# Altium PCB nova34.PcbDoc (part 1 of 4) (continued)
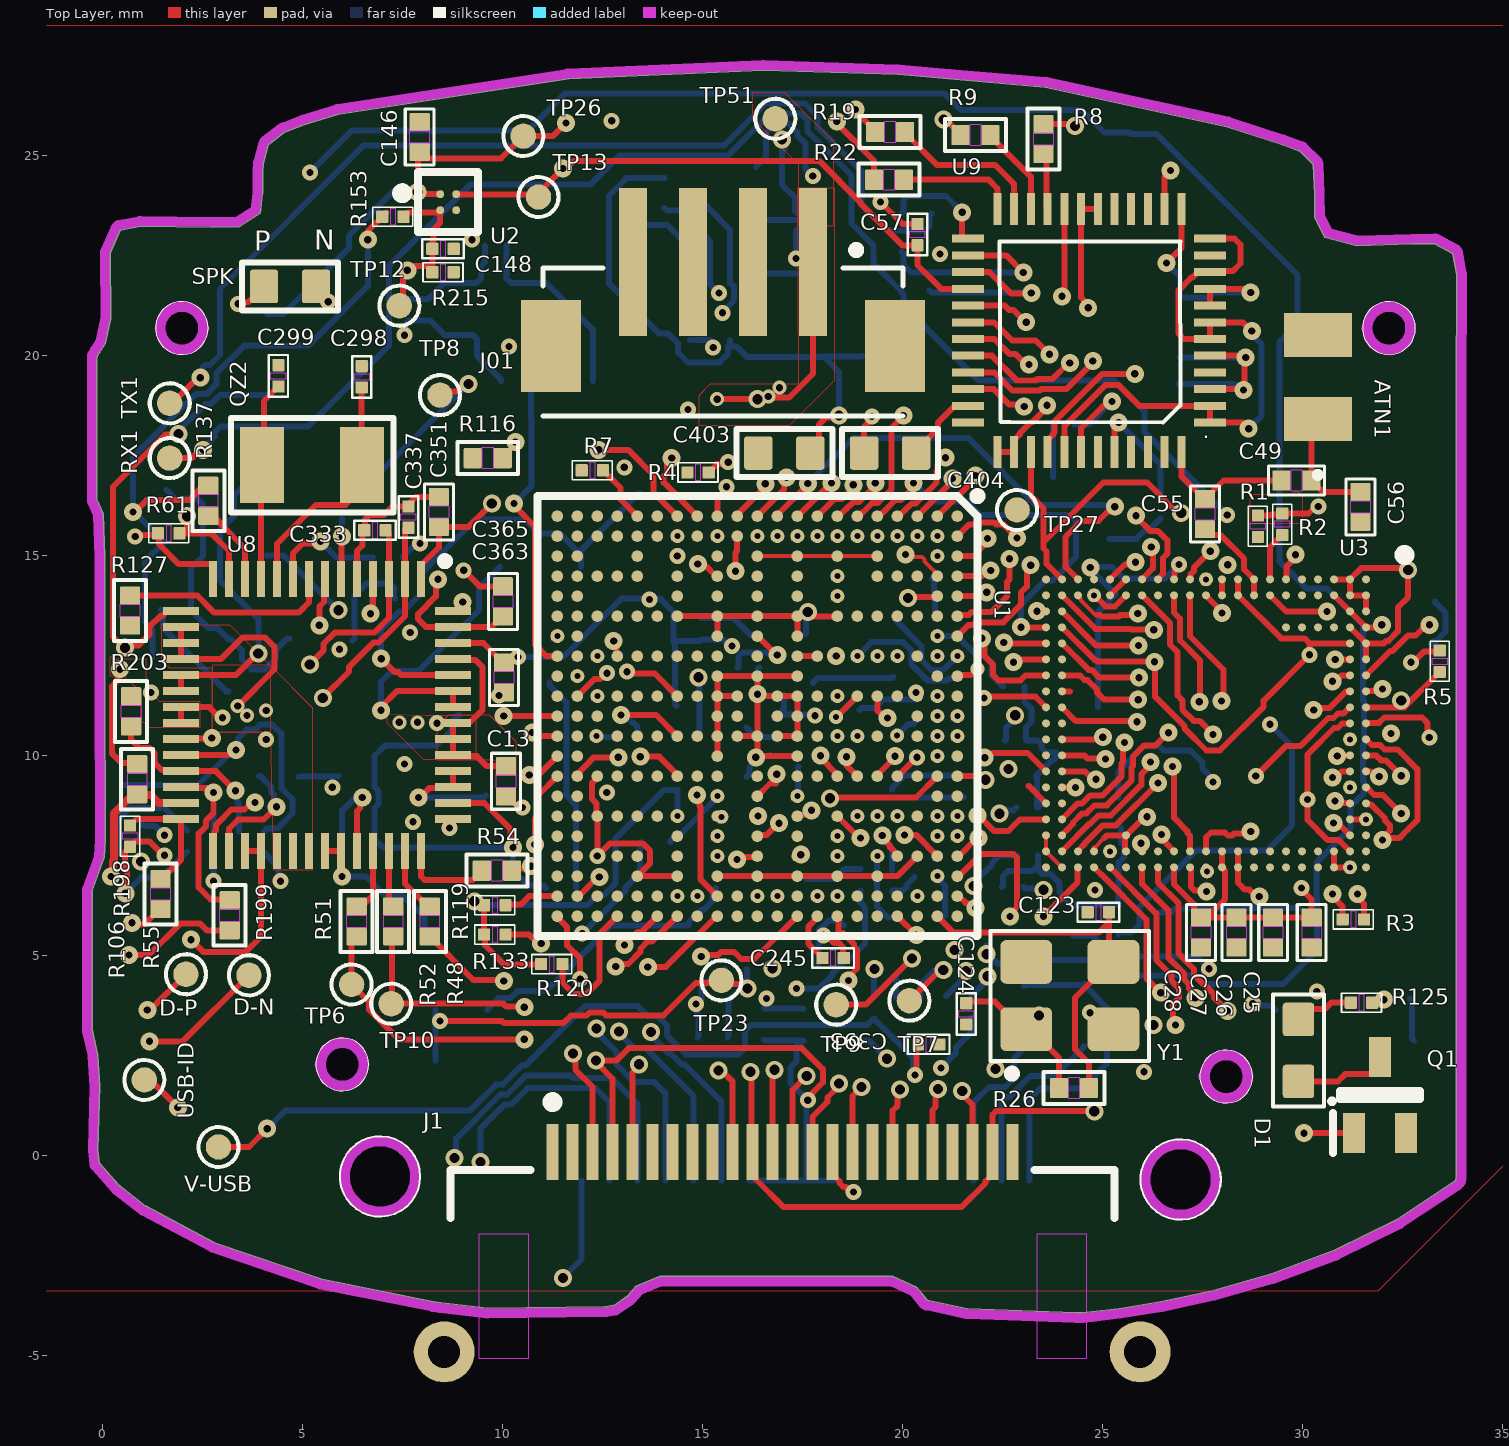
[diagram p0: Top Layer view]
## Components (designator, comment, footprint, x,y, rotation, side; value= is the part's Value field where it differs from the comment) (continued)
R2 "240 OHM" 0201_RES 29.489,15.773 r270 top
R3 "10K" 0201_RES 31.267,5.893 r0 top
R4 "10K" 0201_RES 14.884,17.069 r0 top
R5 "10K" 0201_RES 33.426,12.344 r270 top
R6 "0" 0402_CC_RES#1 13.792,7.061 r0 bottom
R7 "240 OHM" 0201_RES 12.243,17.12 r0 top
R8 "0" 0402_CC_RES#1 23.52,25.4 r90 top
R9 "0" 0402_CC_RES#1 21.819,25.502 r180 top
R10 "4.7K" 0201_RES 22.784,11.709 r180 bottom
R11 "4.7K" 0201_RES 22.751,6.709 r0 bottom
R12 "4.7K" 0201_RES 23.114,7.493 r180 bottom
R13 "4.7K" 0201_RES 23.114,8.687 r180 bottom
R14 "4.7K" 0201_RES 21.436,11.677 r90 bottom
R15 "4.7K" 0201_RES 23.063,9.474 r180 bottom
R16 "4.7K" 0201_RES 22.822,10.363 r180 bottom
R17 "4.7K" 0201_RES 19.593,13.284 r0 bottom
R18 "10K" 0201_RES 18.948,6.883 r90 bottom
R19 "0" 0402_CC_RES#1 19.685,25.578 r180 top
R20 "100K" 0201_RES 19.837,3.683 r90 bottom
R21 "100K" 0201_RES 20.447,3.708 r90 bottom
R22 "0" 0402_CC_RES#1 19.66,24.384 r180 top
R23 "10K" 0201_RES 19.736,6.858 r270 bottom
R24 "1k" 0201_RES 26.441,16.18 r270 bottom
R25 "1k" 0201_RES 24.028,18.263 r180 bottom
R26 "510K" 0402_CC_RES#1 24.282,1.676 r180 top
R27 "50 OHM" 0402_CC_RES#1 19.66,5.563 r270 bottom
R28 "0" 0402_CC_RES#1 20.345,23.546 r0 bottom
R29 "200" 0201_RES 18.618,2.591 r270 bottom
R30 "0" 0402_CC_RES#1 20.345,22.581 r0 bottom
R31 "0" 0402_CC_RES#1 20.345,21.565 r180 bottom
R32 "RC0402FR-0710KL" RESC1005X40X25LL05T10 14.046,24.054 r90 bottom
R33 "RC0402FR-0710KL" RESC1005X40X25LL05T10 15.113,24.105 r90 bottom
R34 "RC0402FR-0710KL" RESC1005X40X25LL05T10 18.263,22.047 r0 bottom
R35 "RC0402FR-0710KL" RESC1005X40X25LL05T10 13.056,24.028 r90 bottom
R47 "10K" 0402_CC_RES#1 24.257,5.867 r90 bottom
R48 "0" 0402_CC_RES#1 8.179,5.842 r90 top
R51 "0" 0402_CC_RES#1 6.35,5.842 r90 top
R52 "0" 0402_CC_RES#1 7.264,5.842 r90 top
R54 "0" 0402_CC_RES#2 9.855,7.112 r180 top
R55 "0" 0402_CC_RES#1 1.448,6.528 r90 top
R61 "100K" 0201_RES 1.651,15.545 r180 top
R77 "10K" 0402_CC_RES#1 29.693,3.632 r0 bottom
R78 "10K" 0402_CC_RES#1 25.4,5.893 r90 bottom
R79 "10K" 0402_CC_RES#1 25.4,8.56 r270 bottom
R100 "0" 0402_CC_RES#1 22.098,5.613 r90 bottom
R102 "100K" 0201_RES 21.717,3.708 r90 bottom
R103 "100K" 0201_RES 20.295,7.214 r270 bottom
R106 "100K" 0201_RES 0.685,7.975 r90 top
R108 "30K" 0201_RES 19.279,3.683 r270 bottom
R111 "0" 0402_CC_RES#1 5.994,16.281 r90 bottom
R113 "0" 0402_CC_RES#1 21.057,5.613 r90 bottom
R114 "0" 0402_CC_RES#1 7.137,14.935 r0 bottom
R116 "0" 0402_CC_RES#1 9.627,17.424 r180 top
R119 "10K" 0201_RES 9.804,6.248 r0 top
R120 "10K" 0201_RES 11.227,4.775 r0 top
R125 "1k" 0201_RES 31.471,3.81 r180 top
R127 "0" 0402_CC_RES#1 0.686,13.614 r90 top
R133 "4.7K" 0201_RES 9.804,5.512 r0 top
R137 "0" 0402_CC_RES#1 2.642,16.358 r270 top
R153 "10K" 0201_RES 7.255,23.457 r0 top
R191 "0" 0402_CC_RES#1 8.915,11.379 r90 bottom
R192 "0" 0402_CC_RES#1 11.455,6.68 r180 bottom
R193 "0" 0402_CC_RES#1 5.613,7.671 r0 bottom
R194 "0" 0402_CC_RES#1 5.613,8.585 r180 bottom
R195 "0" 0402_CC_RES#1 3.912,9.855 r90 bottom
R196 "4.7K" 0201_RES 2.108,7.849 r90 bottom
R197 "4.7K" 0201_RES 2.769,7.823 r90 bottom
R198 "0" 0402_CC_RES#1 0.864,9.398 r270 top
R199 "0" 0402_CC_RES#1 3.175,5.994 r90 top
R200 "4.7K" 0201_RES 4.039,7.823 r90 bottom
R201 "4.7K" 0201_RES 3.404,7.823 r90 bottom
R202 "0" 0402_CC_RES#1 0.508,9.627 r270 bottom
R203 "0" 0402_CC_RES#1 0.711,11.094 r270 top
R215 "12K" 0201_RES 8.509,22.073 r0 top
R216 "0" 0402_CC_RES#1 13.818,7.823 r0 bottom
R217 "100K" 0201_RES 21.082,3.708 r90 bottom
R218 "1k" 0201_RES 9.83,22.733 r0 bottom
R219 "100K" 0201_RES 7.645,21.133 r90 bottom
R220 "0" 0402_CC_RES#1 10.338,19.355 r180 bottom
R224 "0" 0402_CC_RES#1 0.991,7.899 r90 bottom
RX1 "Test Pin1" "Test Pin" 1.676,17.424 r90 top
SPK "22UF" 0603_CC 4.684,21.717 r180 top (schematic designator C403)
TP6 "TP_35MIL" "Test Pin" 6.223,4.267 r90 top
TP7 "TP_35MIL" "Test Pin" 20.168,3.861 r90 top
TP8 "TP_35MIL" "Test Pin" 8.433,18.999 r90 top
TP9 "TP_35MIL" "Test Pin" 18.339,3.759 r90 top
TP10 "TP_35MIL" "Test Pin" 7.214,3.785 r90 top
TP12 "tpad_020" "Test Pin" 7.417,21.234 r90 top
TP13 "tpad_020" "Test Pin" 10.897,23.952 r90 top
TP23 "TP_35MIL" "Test Pin" 15.469,4.369 r90 top
TP25 "TP_35MIL" "Test Pin" 32.69,3.912 r90 bottom
TP26 "TP_35MIL" "Test Pin" 10.516,25.476 r90 top
TP27 "TP_35MIL" "Test Pin" 22.86,16.129 r90 top
TP51 "TP_35MIL" "Test Pin" 16.815,25.908 r90 top
TP68 "TP_35MIL" "Test Pin" 2.692,10.338 r90 bottom
TX1 "Test Pin1" "Test Pin" 1.676,18.796 r90 top
U1 "MIMX8MN5CVPIZAA" BGA306C50P21X21_1100X1100X101 16.367,10.974 r270 top
U2 "ADP191ACBZ-R7" FP-CB-4-3-MFG 8.639,23.822 r0 top
U3 "LPDDR4 32EP16-M4FTC32-GA68" FBGA144C40P19X21_800X950X80 27.584,10.795 r270 top
U4 "BMI160" FP-BMI160-MFG 15.189,21.285 r180 bottom
U8 "PCA9450BHN" QFN40P700X700X100-57N-D 5.359,10.998 r270 top
U9 "RTL8723DS-CG" RTL8723DS-CG 27.679,18.313 r180 top
U12 "NC7SP125P5X" FP-MAA05A-IPC_B 9.816,21.158 r180 bottom
USB-ID "Test Pin1" "Test Pin" 1.041,1.88 r90 top
V-USB "Test Pin1" "Test Pin" 2.896,0.203 r90 top
Y1 "24MHz" OSCCC320X250X60 24.181,3.988 r90 top

## Footprints (in the part's own frame and the unit in brackets; to place one, negate y for a bottom-side part, rotate by r counter-clockwise, add the part's x,y. Pads: shape width x height; smd on the part's side, far side on the other; paste and mask are expansions set on the pad)
"0201_CC - C" [mil] "0201_CC\By AAR"
  rrect15% 12x12 smd mask+1.97: 1(-10.51,0) 2(10.51,0)
  Top Layer keep-out region: -2.64,7.87 -2.64,-7.87 2.64,-7.87 2.64,7.87 -2.64,7.87
  Top Layer keep-out region: -2.64,7.87 -2.64,-7.87 2.64,-7.87 2.64,7.87 -2.64,7.87
  silkscreen extent -20,-9 20,9, body extent -14,-6 14,6, height 12
0201_RES [mil] "0201_CC\By AAR"
  rrect15% 12x12 smd mask+1.97: 1(-10.51,0) 2(10.51,0)
  Top Layer keep-out region: -2.64,7.87 -2.64,-7.87 2.64,-7.87 2.64,7.87 -2.64,7.87
  Top Layer keep-out region: -2.64,7.87 -2.64,-7.87 2.64,-7.87 2.64,7.87 -2.64,7.87
  silkscreen extent -20,-9 20,9, body extent -17,-6 17,6, height 12
"0402_CC - C" [mil] "0402_CC\By AAR"
  rrect15% 18x20 smd mask+1.97: 1(-14.76,0) 2(14.76,0)
  Top Layer keep-out region: -5.75,10 -5.75,-10 5.75,-10 5.75,10 -5.75,10
  Top Layer keep-out region: -5.75,10 -5.75,-10 5.75,-10 5.75,10 -5.75,10
  silkscreen extent -28,-14 28,14, body extent -23,-10 23,10, height 20
0402_CC_RES#1 [mil] "0402_CC_INDUCTOR\By AAR"
  rrect15% 18x20 smd mask+3.15: 1(-14.76,0) 2(14.76,0)
  Top Layer keep-out region: -5.75,10 -5.75,-10 5.75,-10 5.75,10 -5.75,10
  Top Layer keep-out region: -5.75,10 -5.75,-10 5.75,-10 5.75,10 -5.75,10
  silkscreen extent -30,-16 30,16, body extent -20,-10 20,10, height 19
0402_CC_RES#2 [mil] "0402_CC_INDUCTOR\By AAR"
  rrect15% 18x20 smd mask+3.15: 1(-14.76,0)
  rrect15% 18x20 smd mask-0.79: 2(14.76,0)
  Top Layer keep-out region: -5.75,10 -5.75,-10 5.75,-10 5.75,10 -5.75,10
  Top Layer keep-out region: -5.75,10 -5.75,-10 5.75,-10 5.75,10 -5.75,10
  silkscreen extent -30,-16 30,16, body extent -20,-10 20,10, height 19
0603_CC [mil] "CAP_NP_0603_CC_DISCRETE_1MM_150\By AAR"
  rrect20% 28x33 smd mask+3.15: 1(-25.59,0) 2(25.59,0)
  silkscreen extent -47,-24 47,24, body extent -37,-16 37,16, height 32
BGA306C50P21X21_1100X1100X101 [mm]
  round 0.29 smd: A1(-5,5) A2(-4.5,5) A3(-4,5) A4(-3.5,5) A5(-3,5) A6(-2.5,5) A7(-2,5) A8(-1.5,5) A9(-1,5) A10(-0.5,5) A11(0,5) A12(0.5,5) A13(1,5) A14(1.5,5) A15(2,5) A16(2.5,5) A17(3,5) A18(3.5,5) A19(4,5) A20(4.5,5) A21(5,5) AA1(-5,-5) AA2(-4.5,-5) AA3(-4,-5) AA4(-3.5,-5) AA5(-3,-5) AA6(-2.5,-5) AA7(-2,-5) AA8(-1.5,-5) AA9(-1,-5) AA10(-0.5,-5) AA11(0,-5) AA12(0.5,-5) AA13(1,-5) AA14(1.5,-5) AA15(2,-5) AA16(2.5,-5) AA17(3,-5) AA18(3.5,-5) AA19(4,-5) AA20(4.5,-5) AA21(5,-5) B1(-5,4.5) B2(-4.5,4.5) B3(-4,4.5) B4(-3.5,4.5) B5(-3,4.5) B6(-2.5,4.5) B7(-2,4.5) B8(-1.5,4.5) B9(-1,4.5) B10(-0.5,4.5) B11(0,4.5) B12(0.5,4.5) B13(1,4.5) B14(1.5,4.5) B15(2,4.5) B16(2.5,4.5) B17(3,4.5) B18(3.5,4.5) B19(4,4.5) B20(4.5,4.5) B21(5,4.5) C1(-5,4) C2(-4.5,4) C4(-3.5,4) C6(-2.5,4) C8(-1.5,4) C10(-0.5,4) C11(0,4) C12(0.5,4) C14(1.5,4) C16(2.5,4) C18(3.5,4) C20(4.5,4) C21(5,4) D1(-5,3.5) D2(-4.5,3.5) D4(-3.5,3.5) D6(-2.5,3.5) D8(-1.5,3.5) D10(-0.5,3.5) D12(0.5,3.5) D14(1.5,3.5) D16(2.5,3.5) D18(3.5,3.5) D20(4.5,3.5) D21(5,3.5) E1(-5,3) E2(-4.5,3) E3(-4,3) E4(-3.5,3) E6(-2.5,3) E8(-1.5,3) E10(-0.5,3) E12(0.5,3) E14(1.5,3) E16(2.5,3) E18(3.5,3) E19(4,3) E20(4.5,3) E21(5,3) F1(-5,2.5) F2(-4.5,2.5) F6(-2.5,2.5) F8(-1.5,2.5) F10(-0.5,2.5) F12(0.5,2.5) F14(1.5,2.5) F16(2.5,2.5) F20(4.5,2.5) F21(5,2.5) G1(-5,2) G2(-4.5,2) G3(-4,2) G4(-3.5,2) G5(-3,2) G6(-2.5,2) G8(-1.5,2) G10(-0.5,2) G12(0.5,2) G14(1.5,2) G16(2.5,2) G17(3,2) G18(3.5,2) G19(4,2) G20(4.5,2) G21(5,2) H1(-5,1.5) H2(-4.5,1.5) H8(-1.5,1.5) H10(-0.5,1.5) H12(0.5,1.5) H14(1.5,1.5) H20(4.5,1.5) H21(5,1.5) J1(-5,1) J2(-4.5,1) J3(-4,1) J4(-3.5,1) J5(-3,1) J6(-2.5,1) J7(-2,1) J8(-1.5,1) J9(-1,1) J10(-0.5,1) J11(0,1) J12(0.5,1) J13(1,1) J14(1.5,1) J15(2,1) J16(2.5,1) J17(3,1) J18(3.5,1) J19(4,1) J20(4.5,1) J21(5,1) K1(-5,0.5) K2(-4.5,0.5) K10(-0.5,0.5) K11(0,0.5) K12(0.5,0.5) K20(4.5,0.5) K21(5,0.5) L1(-5,0) L2(-4.5,0) L3(-4,0) L4(-3.5,0) L5(-3,0) L6(-2.5,0) L7(-2,0) L8(-1.5,0) L9(-1,0) L10(-0.5,0) L12(0.5,0) L13(1,0) L14(1.5,0) L15(2,0) L16(2.5,0) L17(3,0) L18(3.5,0) L19(4,0) L20(4.5,0) L21(5,0) M1(-5,-0.5) M2(-4.5,-0.5) M10(-0.5,-0.5) M11(0,-0.5) M12(0.5,-0.5) M20(4.5,-0.5) M21(5,-0.5) N1(-5,-1) N2(-4.5,-1) N3(-4,-1) N4(-3.5,-1) N5(-3,-1) N6(-2.5,-1) N7(-2,-1) N8(-1.5,-1) N9(-1,-1) N10(-0.5,-1) N11(0,-1) N12(0.5,-1) N13(1,-1) N14(1.5,-1) N15(2,-1) N16(2.5,-1) N17(3,-1) N18(3.5,-1) N19(4,-1) N20(4.5,-1) N21(5,-1) P1(-5,-1.5) P2(-4.5,-1.5) P8(-1.5,-1.5) P10(-0.5,-1.5) P12(0.5,-1.5) P14(1.5,-1.5) P20(4.5,-1.5) P21(5,-1.5) R1(-5,-2) R2(-4.5,-2) R3(-4,-2) R4(-3.5,-2) R5(-3,-2) R6(-2.5,-2) R8(-1.5,-2) R10(-0.5,-2) R12(0.5,-2) R14(1.5,-2) R16(2.5,-2) R17(3,-2) R18(3.5,-2) R19(4,-2) R20(4.5,-2) R21(5,-2) T1(-5,-2.5) T2(-4.5,-2.5) T6(-2.5,-2.5) T8(-1.5,-2.5) T10(-0.5,-2.5) T12(0.5,-2.5) T14(1.5,-2.5) T16(2.5,-2.5) T20(4.5,-2.5) T21(5,-2.5) U1(-5,-3) U2(-4.5,-3) U3(-4,-3) U4(-3.5,-3) U6(-2.5,-3) U8(-1.5,-3) U10(-0.5,-3) U12(0.5,-3) U14(1.5,-3) U16(2.5,-3) U18(3.5,-3) U19(4,-3) U20(4.5,-3) U21(5,-3) V1(-5,-3.5) V2(-4.5,-3.5) V4(-3.5,-3.5) V6(-2.5,-3.5) V8(-1.5,-3.5) V10(-0.5,-3.5) V12(0.5,-3.5) V14(1.5,-3.5) V16(2.5,-3.5) V18(3.5,-3.5) V20(4.5,-3.5) V21(5,-3.5) W1(-5,-4) W2(-4.5,-4) W4(-3.5,-4) W6(-2.5,-4) W8(-1.5,-4) W10(-0.5,-4) W11(0,-4) W12(0.5,-4) W14(1.5,-4) W16(2.5,-4) W18(3.5,-4) W20(4.5,-4) W21(5,-4) Y1(-5,-4.5) Y2(-4.5,-4.5) Y3(-4,-4.5) Y4(-3.5,-4.5) Y5(-3,-4.5) Y6(-2.5,-4.5) Y7(-2,-4.5) Y8(-1.5,-4.5) Y9(-1,-4.5) Y10(-0.5,-4.5) Y11(0,-4.5) Y12(0.5,-4.5) Y13(1,-4.5) Y14(1.5,-4.5) Y15(2,-4.5) Y16(2.5,-4.5) Y17(3,-4.5) Y18(3.5,-4.5) Y19(4,-4.5) Y20(4.5,-4.5) Y21(5,-4.5)
  silkscreen extent -5.6,-5.5 5.5,5.6, body extent -5.5,-5.5 5.5,5.5, height 1.01
FBGA144C40P19X21_800X950X80 [mm] "BGA, 144-Leads, Body 8.00x9.50mmx0.80mm, Pitch 0.40mm"
  round 0.2 smd: A1(-3.6,4) A2(-3.2,4) A3(-2.8,4) A4(-2.4,4) A5(-2,4) A6(-1.6,4) A7(-1.2,4) A8(-0.8,4) A9(-0.4,4) A10(0,4) A11(0.4,4) A12(0.8,4) A13(1.2,4) A14(1.6,4) A15(2,4) A16(2.4,4) A17(2.8,4) A18(3.2,4) A19(3.6,4) AA1(-3.6,-4) AA2(-3.2,-4) AA3(-2.8,-4) AA4(-2.4,-4) AA5(-2,-4) AA6(-1.6,-4) AA7(-1.2,-4) AA8(-0.8,-4) AA9(-0.4,-4) AA10(0,-4) AA11(0.4,-4) AA12(0.8,-4) AA13(1.2,-4) AA14(1.6,-4) AA15(2,-4) AA16(2.4,-4) AA17(2.8,-4) AA18(3.2,-4) AA19(3.6,-4) B1(-3.6,3.6) B2(-3.2,3.6) B3(-2.8,3.6) B4(-2.4,3.6) B5(-2,3.6) B6(-1.6,3.6) B7(-1.2,3.6) B8(-0.8,3.6) B10(0,3.6) B11(0.4,3.6) B12(0.8,3.6) B13(1.2,3.6) B14(1.6,3.6) B15(2,3.6) B16(2.4,3.6) B17(2.8,3.6) B18(3.2,3.6) B19(3.6,3.6) C1(-3.6,3.2) C2(-3.2,3.2) C18(3.2,3.2) C19(3.6,3.2) D1(-3.6,2.8) D2(-3.2,2.8) D18(3.2,2.8) D19(3.6,2.8) E1(-3.6,2.4) E2(-3.2,2.4) E18(3.2,2.4) E19(3.6,2.4) F1(-3.6,2) F2(-3.2,2) F18(3.2,2) F19(3.6,2) G1(-3.6,1.6) G2(-3.2,1.6) G18(3.2,1.6) G19(3.6,1.6) H1(-3.6,1.2) H2(-3.2,1.2) H18(3.2,1.2) H19(3.6,1.2) J1(-3.6,0.8) J2(-3.2,0.8) J18(3.2,0.8) J19(3.6,0.8) K1(-3.6,0.4) K2(-3.2,0.4) K18(3.2,0.4) K19(3.6,0.4) L1(-3.6,0) L2(-3.2,0) L18(3.2,0) L19(3.6,0) M1(-3.6,-0.4) M2(-3.2,-0.4) M18(3.2,-0.4) M19(3.6,-0.4) N1(-3.6,-0.8) N2(-3.2,-0.8) N18(3.2,-0.8) N19(3.6,-0.8) P1(-3.6,-1.2) P2(-3.2,-1.2) P18(3.2,-1.2) P19(3.6,-1.2) R1(-3.6,-1.6) R2(-3.2,-1.6) R18(3.2,-1.6) R19(3.6,-1.6) T(-2.4,3.2) T(-2.4,2) T(-2.4,2.4) T(-2.4,2.8) T1(-3.6,-2) T2(-3.2,-2) T18(2.8,-2) T18(3.2,-2) T19(3.6,-2) U1(-3.6,-2.4) U2(-3.2,-2.4) U18(3.2,-2.4) U19(3.6,-2.4) V1(-3.6,-2.8) V2(-3.2,-2.8) V18(3.2,-2.8) V19(3.6,-2.8) W1(-3.6,-3.2) W2(-3.2,-3.2) W18(3.2,-3.2) W19(3.6,-3.2) Y1(-3.6,-3.6) Y2(-3.2,-3.6) Y3(-2.8,-3.6) Y4(-2.4,-3.6) Y5(-2,-3.6) Y6(-1.6,-3.6) Y7(-1.2,-3.6) Y8(-0.8,-3.6) Y9(-0.4,-3.6) Y10(0,-3.6) Y11(0.4,-3.6) Y12(0.8,-3.6) Y13(1.2,-3.6) Y14(1.6,-3.6) Y15(2,-3.6) Y16(2.4,-3.6) Y17(2.8,-3.6) Y18(3.2,-3.6) Y19(3.6,-3.6) ""(-0.4,3.6)
  silkscreen extent -4.33,4.84 -4.09,5.09, body extent -4,-4.75 4,4.75, height 0.8
FP-BMI160-MFG [mm]
  rect 0.475x0.25 smd paste+0 mask+0: 1(-1.163,0.75) 2(-1.163,0.25) 3(-1.163,-0.25) 4(-1.163,-0.75) 8(1.163,-0.75) 9(1.163,-0.25) 10(1.163,0.25) 11(1.163,0.75)
  rect 0.25x0.475 smd paste+0 mask+0: 5(-0.5,-0.913) 6(0,-0.913) 7(0.5,-0.913) 12(0.5,0.913) 13(0,0.913) 14(-0.5,0.913)
  silkscreen extent -2.1,-1.3 1.55,1.3, body extent -1.5,-1.25 1.5,1.25, height 0.88
FP-CB-4-3-MFG [mm]
  round 0.2 smd paste+0 mask-1000: A1(-0.2,0.2) A2(0.2,0.2) B1(-0.2,-0.2) B2(0.2,-0.2)
  silkscreen extent -1.27,-0.75 0.75,0.75, body extent -0.9,-0.9 0.9,0.9, height 0.25
FP-GRM15-MFG [mm]
  rect 0.4x0.5 smd paste+0 mask+0: 1(-0.4,0) 2(0.4,0)
  silkscreen extent -0.53,-0.62 0.53,0.62, body extent -0.3,-0.16 0.3,0.16, height 0.33
FP-MAA05A-IPC_B [mm]
  rect 1.258x0.376 smd paste+0 mask+0: 1(-0.827,0.65)
  rrect100% 1.258x0.376 smd paste+0 mask+0: 2(-0.827,0) 3(-0.827,-0.65) 4(0.827,-0.65) 5(0.827,0.65)
  silkscreen extent -2.38,-1.25 1.05,1.25, body extent -1.05,-1 1.05,1, height 1.1
ind_sph2520 [mil] "INDUCTOR_IND_SPH2520_DISCRETE_1\By AAR"
  rrect15% 48x79 smd mask+3.94: 1(-39.75,0) 2(39.75,0)
  silkscreen extent -72,-48 72,48, body extent -49,-39 50,39, height 53
IND_SPH2520 [mil] "INDUCTOR_IND_SPH2520_DISCRETE_1\By AAR"
  rrect15% 48x79 smd mask+3.94: 1(-39.75,0) 2(39.75,0)
  silkscreen extent -72,-48 72,48, body extent -49,-39 50,39, height 53
JST_B4B-ZR-SM4-TFT(LF)(SN) [mm]
  rect 0.7x3.7 smd: 1(-2.25,-2) 2(-0.75,-2) 3(0.75,-2) 4(2.25,-2)
  rect 1.5x2.3 smd: S1(4.3,0.1) S2(-4.3,0.1)
  silkscreen extent -4.5,-2.4 4.5,1.85, body extent -4.5,-3.35 4.5,1.85, height 5
LED_0603 [mil] "LED_0603\AAR"
  rrect20% 33x31 smd mask+1.97: A(-30.51,0) C(30.51,0)
  silkscreen extent -55,-25 55,35, body extent -32,-16 31,16, height 8
M310220 [mm]
  rect 1.1x1.7 smd: 1(-1.05,0) 2(1.05,0)
  silkscreen extent -2.5,-0.05 -2.4,0.05, body extent -1.53,-0.75 1.47,0.75, height 1.08
MOLX-52892-2433 [mm] "FPC Connector, 24-Leads, Right Angle, Pitch 0.5 mm, Mated Height 2.0 mm, SMT"
  rect 0.3x1.4 smd mask+0.051: 1(-5.75,1.575) 2(-5.25,1.575) 3(-4.75,1.575) 4(-4.25,1.575) 5(-3.75,1.575) 6(-3.25,1.575) 7(-2.75,1.575) 8(-2.25,1.575) 9(-1.75,1.575) 10(-1.25,1.575) 11(-0.75,1.575) 12(-0.25,1.575) 13(0.25,1.575) 14(0.75,1.575) 15(1.25,1.575) 16(1.75,1.575) 17(2.25,1.575) 18(2.75,1.575) 19(3.25,1.575) 20(3.75,1.575) 21(4.25,1.575) 22(4.75,1.575) 23(5.25,1.575) 24(5.75,1.575)
  Keep-Out Layer region: -7.6,-3.575 -6.35,-3.575 -6.35,-0.475 -7.6,-0.475
  Keep-Out Layer region: 6.351,-3.575 7.601,-3.575 7.601,-0.475 6.351,-0.475
  silkscreen extent -8.3,-0.07 8.3,2.95, body extent -8.7,-3.77 8.7,1.73, height 2.05
OSCCC320X250X60 [mm]
  rrect25% 1.09x1.29 smd: 1(-0.84,1.09) 2(-0.84,-1.09) 3(0.84,-1.09) 4(0.84,1.09)
  silkscreen extent -2.05,-1.98 1.62,1.98, body extent -1.25,-1.6 1.25,1.6, height 0.83
QFN40P700X700X100-57N-D [mm]
  rect 0.9x0.2 smd: 1(-3.4,2.6) 2(-3.4,2.2) 3(-3.4,1.8) 4(-3.4,1.4) 5(-3.4,1) 6(-3.4,0.6) 7(-3.4,0.2) 8(-3.4,-0.2) 9(-3.4,-0.6) 10(-3.4,-1) 11(-3.4,-1.4) 12(-3.4,-1.8) 13(-3.4,-2.2) 14(-3.4,-2.6) 29(3.4,-2.6) 30(3.4,-2.2) 31(3.4,-1.8) 32(3.4,-1.4) 33(3.4,-1) 34(3.4,-0.6) 35(3.4,-0.2) 36(3.4,0.2) 37(3.4,0.6) 38(3.4,1) 39(3.4,1.4) 40(3.4,1.8) 41(3.4,2.2) 42(3.4,2.6)
  rect 0.2x0.9 smd: 15(-2.6,-3.4) 16(-2.2,-3.4) 17(-1.8,-3.4) 18(-1.4,-3.4) 19(-1,-3.4) 20(-0.6,-3.4) 21(-0.2,-3.4) 22(0.2,-3.4) 23(0.6,-3.4) 24(1,-3.4) 25(1.4,-3.4) 26(1.8,-3.4) 27(2.2,-3.4) 28(2.6,-3.4) 43(2.6,3.4) 44(2.2,3.4) 45(1.8,3.4) 46(1.4,3.4) 47(1,3.4) 48(0.6,3.4) 49(0.2,3.4) 50(-0.2,3.4) 51(-0.6,3.4) 52(-1,3.4) 53(-1.4,3.4) 54(-1.8,3.4) 55(-2.2,3.4) 56(-2.6,3.4)
  silkscreen extent -3.95,3.1 -3.75,3.3, body extent -3.55,-3.55 3.55,3.55, height 1
RESC1005X40X25LL05T10 [mm] "Chip Resistor, 2-Leads, Body 1.00x0.50mm, IPC High Density"
  rect 0.5x0.45 smd: 1(-0.375,0) 2(0.375,0)
  body extent -0.53,-0.27 0.53,0.28, height 0.4
RTL8723DS-CG [mm]
  rect 0.8x0.2 smd: 1(0,0) 2(0,-0.418) 3(0,-0.836) 4(0,-1.254) 5(0,-1.672) 6(0,-2.09) 7(0,-2.508) 8(0,-2.926) 9(0,-3.344) 10(0,-3.762) 11(0,-4.179) 12(0,-4.597) 25(6.045,-4.597) 26(6.045,-4.179) 27(6.045,-3.762) 28(6.045,-3.344) 29(6.045,-2.926) 30(6.045,-2.508) 31(6.045,-2.09) 32(6.045,-1.672) 33(6.045,-1.254) 34(6.045,-0.836) 35(6.045,-0.418) 36(6.045,0)
  rect 0.2x0.8 smd: 13(0.711,-5.334) 14(1.129,-5.334) 15(1.547,-5.334) 16(1.965,-5.334) 17(2.383,-5.334) 18(2.801,-5.334) 19(3.219,-5.334) 20(3.637,-5.334) 21(4.055,-5.334) 22(4.473,-5.334) 23(4.891,-5.334) 24(5.309,-5.334) 37(5.309,0.737) 38(4.891,0.737) 39(4.473,0.737) 40(4.055,0.737) 41(3.637,0.737) 42(3.219,0.737) 43(2.801,0.737) 44(2.383,0.737) 45(1.965,0.737) 46(1.547,0.737) 47(1.129,0.737) 48(0.711,0.737)
  silkscreen extent 0.74,-4.52 5.25,0, body extent -0.66,-5.91 6.74,1.29, height 0.5
SOT65P210X110-3N [mm]
  rect 1x0.55 smd: 1(-0.95,0.65) 2(-0.95,-0.65) 3(0.95,0)
  silkscreen extent -1.45,-1 0.1,1.18
"Test Pin" [mm]
  round 0.635 smd: 1(0,0)
  silkscreen extent -0.5,-0.5 0.5,0.5
"XTAL_ABS07-32.768KHZ-T - duplicate" [mm] "XTAL_ABS07-32.768KHZ-T\By AAR"
  rect 1.1x1.9 smd: 1(-1.25,0) 2(1.25,0)
  silkscreen extent -2.02,-1.18 2.04,1.18, body extent -1.6,-0.75 1.6,0.75, height 0.9
? [mm] "D3-PAK, 20-Pads, Body 16.41x17.53mm (max), IPC Medium Density"
  rect 0.4x3.5 smd: 1(7.82,-29.625) 2(8.52,-29.625) 3(9.22,-29.625) 4(9.92,-29.625) 5(10.62,-29.625) 6(11.32,-29.625) 7(12.02,-29.625) 8(12.72,-29.625) 9(13.42,-29.625) 10(14.12,-29.625) 11(14.82,-29.625) 12(15.52,-29.625) 13(16.22,-29.625) 14(16.92,-29.625) 15(17.62,-29.625) 16(18.32,-29.625) 17(19.02,-29.625) 18(19.72,-29.625) 19(20.42,-29.625) 20(21.12,-29.625)
  round 1.524 hole 0.8: 1(23.19,-25.34) 2(5.79,-25.34)
  silkscreen extent 7.07,-31.61 7.32,-31.37, body extent 0,-31.86 28.34,0, height 2.1

## Part data
ATN1: "Antennas Ceramic Chip ANTENNA BT/WLAN 2.4-2.5GHz", Manufacturer_Name="Kyocera AVX", Geometry.Height=1.18mm, Manufacturer_Part_Number=M310220
C1 C4 C6 C7 C10 C11 C12 C14 C15 C16: library part CAP_NP
  C1 C4 C6 C10 C11 C12 C14 C16: CLASS=DISCRETE
C3 C5 C8 C9 C17 C21 C30 C100 C101 C104 C148 C244 C264 C392 C393 C485 C486 C491 C492: library part CAP_NP, "CAP CER 0.22UF 10V 20% X5R 0201", Tolerance=20%, Voltage=10V, AGILE_PN=150-78815, CAD_APPROVED=Yes, CLASS=DISCRETE, Height=0.33MM, MFG_NAME01="Taiyo Yuden", MFG_PN01=LMK063BJ224MP-F, PCB Footprint=0201_CC, RoHS=Yes
  C3 C5 C8 C9 C17 C21 C100 C101 C104 C148 C264 C392 C393 C485 C486 C491 C492: FPLIST=CC0201,CC0201_HD,0201_CC
  C30: FPLIST=CC0201,CC0201_HD,0201_CC,0201_CC_012SM_NSP
  C244: FPLIST=CC0201,CC0201_HD,0201_CC,CC_0201_CIR,0201_CC_012SM_NSP
C13 C146 C260 C302 C453: library part CAP_NP, "CAP CER 4.7uF 10V 10% X5R 0402", Tolerance=10%, Voltage=10V, AGILE_PN=150-80044, CAD_APPROVED=Yes, CLASS=DISCRETE, FPLIST=CC0402_25,CC0402_HD,0402_CC, Height=0.65MM, MFG_NAME01="Samsung Electro Mechanics", MFG_PN01=CL05A475KP5NRNC, PCB Footprint=0402_CC, RoHS=Yes
C18 C19 C20 C25 C26 C27 C28 C35 C36 C37 C38 C50: library part CAP_NP, Voltage=6.3V, CLASS=DISCRETE
C22 C23 C24 C29 C31 C32 C33 C34 C39 C40 C41 C42 C43 C44 C45 C46 C47 C48 C51 C52 C53 C54: library part CAP_NP, Voltage=10V, CLASS=DISCRETE
C49 C55 C56: library part CAP_NP, "CAP CER 10PF 25V 5% C0G 0402", Package Size="Paper Tape (7\" Reel)", Package Type=0402, Tolerance=5%, Voltage=25V, AGILE_PN=150-30134, CAD_APPROVED=Yes, CLASS=DISCRETE, FPLIST=CC0402_25,CC0402_HD,0402_CC, Height="0.635 MM", MFG_NAME01="VENKEL COMPANY", MFG_PN01=C0402C0G250-100JNP, PCB Footprint=0402_CC, RoHS=Yes
  C55 C56: ASSY_OPT=DNP
C57 C90 C91 C92 C93 C94 C95 C254 C256 C267 C274 C333 C337 C391 C458 C481 C482 C483 C484 C489 C490: library part CAP_NP, "CAP CER 1uF 6.3V 20% X5R 0201", Package Size=0201, Package Type="7¡± reel", Tolerance=20%, Voltage=6.3V, AGILE_PN=150-79407, CAD_APPROVED=Yes, CLASS=DISCRETE, FPLIST=CC0201,CC0201_HD,0201_CC,0201_CC_012SM_NSP, Height=0.35MM, MFG_NAME01=AVX, MFG_PN01=02016D105MAT2A, PCB Footprint=0201_CC, RoHS=Yes
  C458: ASSY_OPT=DNP
C58 C59 C60 C61: library part CMP-2100-03641-2, "CAP CER 0.1UF 16V X7R 0402", Capacitance=0.10μF, Manufacturer=Murata, Package=GRM15, Temperature="-55°C to +125°C", Temperature Characteristic=X7R, Temperature Range High=+125°C, Temperature Range Low=-55°C, Tolerance=10%, Voltage Rating=16Vdc, Category=Cap, ComponentLink2Description=Datasheet, ComponentLink2URL=https://search.murata.co.jp/Ceramy/image/img/A01X/G101/ENG/GRM155R71H471KA01-01A.pdf, Device Class L1="Passive Components", Device Class L2=Capacitors, Device Class L3="Ceramic Capacitors", Digikey Description="CAP CER 0.1UF 16V X7R 0402", Height=0.55mm, Ipc Land Pattern Name=CAPC10050X219, Lead Free=yes, Manufacturer Part Number=GRM155R71C104KA88D, Material=Ceramic, Mouser Description="0402 0.1 uF 16V ±10 % Tolerance X7R SMT Multilayer Ceramic Capacitor", Octopart=https://octopart.com/grm155r71c104ka88d-murata-196880, RoHS=TRUE, Standoff Height=0mm
C88 C89 C247 C265 C266 C488 C493 C494 C495: library part CAP_NP, "CAP CER 10UF 6.3V 20% X5R 0402", Tolerance=20%, Voltage=6.3V, AGILE_PN=150-79163, CAD_APPROVED=Yes, CLASS=DISCRETE, FPLIST=CC0402_25,CC0402_HD,0402_CC, Height="0.65 MM", MFG_NAME01="SAMSUNG ELECTRO MECHANICS", MFG_PN01=CL05A106MQ5NUNC, PCB Footprint=0402_CC, RoHS=Yes
C123 C124: library part CAP_NP, "CAP CER 12PF 25V 5% C0G AEC-Q200 0201", Tolerance=5%, Voltage=25V, AGILE_PN=150-79813, CAD_APPROVED=Yes, CLASS=DISCRETE, FPLIST=CC0201,CC0201_HD,0201_CC, Height=0.33MM, MFG_NAME01=TDK, MFG_PN01=CGA1A2C0G1E120J030BA, PCB Footprint=0201_CC, RoHS=Yes
C245 C298 C299: library part CAP_NP, "CAP CER 18pF 50V 5% C0G 0201", Package Size=0201, Package Type="&#966;180mm Paper taping", Tolerance=5%, Voltage=50V, AGILE_PN=150-79476, CAD_APPROVED=Yes, CLASS=DISCRETE, FPLIST=CC0201,CC0201_HD,0201_CC, Height=0.33MM, MFG_NAME01=MURATA, MFG_PN01=GRM0335C1H180JA01D, PCB Footprint=0201_CC, RoHS=Yes
C268: library part CAP_NP, "CAP CER 2200PF 16V 10% X7R 0201", Tolerance=20%, Voltage=16V, AGILE_PN=150-78660, CAD_APPROVED=Yes, CLASS=DISCRETE, FPLIST=CC0201,CC0201_HD,0201_CC, Height="0.33 MM", MFG_NAME01=MURATA, MFG_PN01=GRM033R71C222KA88D, PCB Footprint=0201_CC, RoHS=Yes
C272 C351 C365: library part CAP_NP, "CAP CER 1uF 10V 10% X7S 0402", Package Size=0402, Temp Range="-55C - 125C", Tolerance=10%, Voltage=10, AGILE_PN=150-80357, CAD_APPROVED=Yes, CLASS=DISCRETE, FPLIST=CC0402_25,CC0402_HD,0402_CC, Height=0.6MM, MFG_NAME01=MURATA, MFG_PN01=GRM155C71A105KE11D, PCB Footprint=0402_CC, RoHS=Yes, Temp_Range="-55C - 125C"
C273 C276: library part CAP_NP, "CAP CER 1.0UF 10V 10% X5R 0402", Package Size=0402, Voltage=10V, AGILE_PN=150-75772, CAD_APPROVED=Yes, CLASS=DISCRETE, FPLIST=CC0402_25,CC0402_HD,0402_CC, Height=0.6MM, MFG_NAME01="YAGEO AMERICA", MFG_PN01=CC0402KRX5R6BB105, PCB Footprint=0402_CC, RoHS=Yes
C279 C281 C295 C301 C401 C402: library part CAP_NP, "CAP CER 10.0uF 16V 10% X5R 0603", Package Size=0603, Package Type=SMT, Temp Range="-55¡ãC to +85¡ãC", Tolerance=10%, Voltage=16V, AGILE_PN=150-80060, CAD_APPROVED=Yes, CLASS=DISCRETE, FPLIST=CC0603_OV,CC0603,0603_CC,cc0603_0805_nsp, Height=0.9MM, MFG_NAME01=MURATA, MFG_PN01=GRM188R61C106KAALD, PCB Footprint=CC0603, RoHS=Yes, Temp_Range="-55¡ãC to +85¡ãC"
C283 C285 C287 C311 C317 C318 C403 C404 C479 C480 C496 C497 SPK: library part CAP_NP, "CAP CER 22uF 10V 20% X5R 0603", Package Size=0603, Tolerance=20%, Voltage=10V, AGILE_PN=150-79530, CAD_APPROVED=Yes, CLASS=DISCRETE, FPLIST=CC0603_OV,CC0603,0603_CC, Height=1MM, MFG_NAME01=TDK, MFG_PN01=C1608X5R1A226M080AC, PCB Footprint=CC0603, RoHS=Yes, SIGNAL_MODEL=DEFAULT_CAPACITOR_2.2e+07pF_2_1, WVDC=6.3V
  C287 C479 C480: ASSY_OPT=DNP
C363: library part CAP_NP, "CAP CER 2.2uF 10V 10% X5R 0402", Package Size=0402, Tolerance=10%, Voltage=10V, AGILE_PN=150-78974, CAD_APPROVED=Yes, CLASS=DISCRETE, FPLIST=CC0402_25,CC0402_HD,0402_CC, Height="0.55 MM", MFG_NAME01=TDK, MFG_PN01=C1005X5R1A225K, PCB Footprint=0402_CC, RoHS=Yes
D1 D2 D3 LD1 LD2: library part LED, "LED GRN SGL 25MA SMT 0603", Voltage=2V, AGILE_PN=370-76672, CAD_APPROVED=Yes, CLASS=IC, Height="0.8 MM", MFG_NAME01=DIALIGHT, MFG_PN01=598-8070-107F, PCB Footprint=LED_0603, RoHS=Yes
J1: library part CMP-1241-00475-1, "0.5 mm Pitch Easy-On(TM) Type FPC Connector, 2.0 mm Mated Height, Right Angle, ZIF, SMT, Bottom Contact, 24 Circuits, -40 to 85 degC, ELV and RoHS Compliant, Tape and Reel", Current (Max per Contact)=0.5A, Manufacturer=Molex, Voltage (Max)=50V, Circuits (Loaded)=24, ComponentLink1Description="Manufacturer URL", ComponentLink1URL=http://www.molex.com/molex/index.jsp, ComponentLink2Description=Datasheet, ComponentLink2URL=http://www.molex.com/webdocs/datasheets/pdf/en-us/0528922433_FFC_FPC_CONNECTORS.pdf, ComponentLink3Description="Package Specification", ComponentLink3URL=http://www.molex.com/pdm_docs/sd/528922433_sd.pdf, Contact Position=Bottom, Durability (mating cycles max)=20, Entry Angle="90degrees Angle", Mated Height=2.00mm, Material - Metal="Phosphor Bronze", Material - Plating Mating="Silver, Tin-Bismuth", Material - Plating Termination="Silver, Tin-Bismuth", Mounting Technology="Surface Mount", Number of Rows=1, Orientation="Right Angle", PackageDescription="24-Lead FPC Connector, Pitch 0.5 mm", PackageReference=52892-2433, PackageVersion="Rev. A, 05/2013", Packing="Tape and Reel", PartNumber=52892-2433, PCB Locator=No, PCB Retention=Yes, Pitch - Mating Interface=0.50mm, Pitch - Termination Interface=0.50mm, Polarized to PCB=No, RoHS=TRUE, Stackable=No
J01: library part "Header 4", LatestRevisionDate=17-Jul-2002, LatestRevisionNote="Re-released for DXP Platform.", Publisher="Altium Limited"
L5 L6 L11 L15 L16: library part INDUCTOR, "IND PWR 0.47uH@1MHZ 4.7A 20% SMT", Temp Range="-40¡ãC to +125¡ãC", Tolerance=20%, AGILE_PN=180-78647, CAD_APPROVED=Yes, CLASS=DISCRETE, Height=1.2MM, MFG_NAME01="SHENZHEN SUNLORD ELECTRONICS CO., LTD", MFG_PN01=WPN252012ER47MT, PART_TYPE=INDUCTOR\POWER, PCB Footprint=ind_sph2520, RoHS=Yes, Temp_Range="-40¡ãC to +125¡ãC", TOL=20%
  L16: ASSY_OPT=DNP
L13: library part INDUCTOR, "IND WW 0.47uH@1MHz 3.4A 20% 2016", Temp Range="-40C to +85C", Tolerance=20%, Voltage="20V DC", AGILE_PN=180-78630, CAD_APPROVED=Yes, CLASS=DISCRETE, Height=1.2MM, MFG_NAME01=MURATA, MFG_PN01=1286AS-H-R47M=P2, PART_TYPE=INDUCTOR, PCB Footprint=IND_2016A, RoHS=Yes, Temp_Range="-40C to +85C"
Q1: library part NMOS_NX3008NBK, "TRAN NMOS SW 30V 350mA AEC-Q101 SC-70", AGILE_PN=480-79736, CAD_APPROVED=Yes, CLASS=IC, Height=1.1MM, MFG_NAME01=NEXPERIA, MFG_PN01=NX3008NBKW,115, PCB Footprint=sc70_3, RoHS=Yes
QZ2: library part XTAL, "XTAL 32.768KHZ 12.5PF 20PPM 3.2X1.5MM SMT", AGILE_PN=230-77653, CAD_APPROVED=Yes, CLASS=IC, Height=0.9MM, MFG_NAME01="Abracon Corporation", MFG_PN01=ABS07-32.768KHZ-T, PCB Footprint=XTAL2-3P2X1P5-SM, RoHS=Yes
R1 R2 R7: library part RES, "RES MF 240 OHM 1/20W 1% 0201", Temp Range="-55¡ãC ~ 125¡ãC", Tolerance=1%, Voltage=25V, AGILE_PN=470-81317, CAD_APPROVED=Yes, CLASS=DISCRETE, FPLIST=CC0201,CC0201_HD,0201_CC, Height=0.26MM, MFG_NAME01="YAGEO AMERICA", MFG_PN01=RC0201FR-07240RL, PCB Footprint=0201_CC, RoHS=Yes, Temp_Range="-55¡ãC ~ 125¡ãC"
R3 R4 R5 R18 R23 R119 R120 R153: library part RES, "RES MF 10K 1/20W 5% 0201", Tolerance=5%, AGILE_PN=470-79719, CAD_APPROVED=Yes, CLASS=DISCRETE, FPLIST=RC0201,0201_CC, Height="0.26 MM", MFG_NAME01="RALEC ELECTRONIC CORP", MFG_PN01=RTT01103JTH, PCB Footprint=0201_CC, RoHS=Yes
  R3 R5 R119 R120: ASSY_OPT=DNP
R6 R8 R9 R19 R22 R28 R30 R31 R48 R51 R52 R54 R55 R100 R111 R113 R114 R116 R127 R137 R191 R192 R193 R194 R195 R198 R199 R202 R203 R216 R220 R224: library part RES, "RES MF ZERO OHM 1/16W 5% 0402", Tolerance=5%, Voltage=1/16W, AGILE_PN=470-75394, CAD_APPROVED=Yes, CLASS=DISCRETE, Height="0.45 MM", MFG_NAME01="YAGEO AMERICA", MFG_PN01=RC0402JR-070RL, PCB Footprint=0402_CC, RoHS=Yes
  R6 R191 R193 R198 R199 R202 R203 R216 R224: ASSY_OPT=DNP, FPLIST=RC0402_25,RC0402_HD,RC0402_X2,0402_CC
  R8 R9 R19 R22 R28 R30 R31: FPLIST=RC0402_25,RC0402_HD,RC0402_X2,0402_CC, SIGNAL_MODEL=DEFAULT_RESISTOR_10000OHM_2_1, TOL=1%
  R48 R52 R54 R55 R100 R113 R127 R192 R194 R195 R220: FPLIST=RC0402_25,RC0402_HD,RC0402_X2,0402_CC
  R111: SIGNAL_MODEL=DEFAULT_RESISTOR_10000OHM_2_1, TOL=1%
  R116: ASSY_OPT=DNP
R10 R11 R12 R13 R14 R15 R16 R17 R133 R196 R197 R200 R201: library part RES, "RES MF 4.7K 1/20W 5% AEC-Q200 0201", Temp Range="-55C to +155C", Tolerance=5%, AGILE_PN=470-79700, CAD_APPROVED=Yes, CLASS=DISCRETE, FPLIST=RC0201,0201_CC, Height=0.25MM, MFG_NAME01="KOA SPEER", MFG_PN01=RK73B1HTTC472J, PCB Footprint=0201_CC, RoHS=Yes, Temp_Range="-55C to +155C"
  R12 R13 R14 R15 R16 R17 R196 R197 R200 R201: ASSY_OPT=DNP
R20 R21 R61 R102 R103 R106 R217 R219: library part RES, "RES MF 100K 1/20W 1% 0201", Tolerance=1%, AGILE_PN=470-77704, CAD_APPROVED=Yes, CLASS=DISCRETE, FPLIST=RC0201,0201_CC, Height=0.26MM, MFG_NAME01=SKYMOS, MFG_PN01=RC-0201-104FT, PCB Footprint=0201_CC, RoHS=Yes
  R61 R102 R106 R217 R219: ASSY_OPT=DNP
R24 R25 R125 R218: library part RES, "RES MF 1.0K OHM 1/20W 1% 30V -55+155C 0201", Temp Range="-55¡ãC ~ 155¡ãC", Tolerance=1%, Voltage=30, AGILE_PN=470-82221, CAD_APPROVED=Yes, CLASS=DISCRETE, FPLIST=RC0201,0201_CC, Height=0.28MM, MFG_NAME01="VISHAY INTERTECHNOLOGY", MFG_PN01=CRCW02011K00FNED, PCB Footprint=0201_CC, RoHS=Yes, Temp_Range="-55¡ãC ~ 155¡ãC"
  R218: ASSY_OPT=DNP
R26: library part RES, "RES MF 510K 1/16W 5% 0402", Tolerance=5%, AGILE_PN=470-76166, CAD_APPROVED=Yes, CLASS=DISCRETE, FPLIST=RC0402_25,RC0402_HD,0402_CC, Height="0.4 MM", MFG_NAME01=PANASONIC, MFG_PN01=ERJ-2GEJ514X, PCB Footprint=0402_CC, RoHS=Yes
R27: library part RES, "RES MF 50 OHM 1/20W 5% 0402", Package Size="0402 (1005 Metric)", Tolerance=5%, AGILE_PN=470-82494, CAD_APPROVED=YES, CLASS=DISCRETE, FPLIST=RC0402_25,RC0402_HD,0402_CC, Height=0.627MM, MFG_NAME01=VISHAY, MFG_PN01=CH0402-50RJNPA, PCB Footprint=0402_CC, RoHS=Yes
R29: library part RES, "RES MF 200 OHM 1/20W 1% 0201", Temp Range="-55¡ãC ~ 125¡ãC", Tolerance=1%, Voltage=25V, AGILE_PN=470-82323, CAD_APPROVED=Yes, CLASS=DISCRETE, FPLIST=RC0201,0201_CC, Height=0.26MM, MFG_NAME01="YAGEO AMERICA", MFG_PN01=RC0201FR-07200RL, PCB Footprint=0201_CC, RoHS=Yes, Temp_Range="-55¡ãC ~ 125¡ãC"
R32 R33 R34 R35: library part CMP-2002-07353-1, Manufacturer="Yageo / Phycomp", Part Number=RC0402FR-0710KL
R47 R77 R78 R79: library part RES, "RES MF 10K 1/16W 5% 0402", Tolerance=5%, AGILE_PN=470-75557, ASSY_OPT=DNP, CAD_APPROVED=Yes, CLASS=DISCRETE, FPLIST=RC0402_25,RC0402_HD,0402_CC, Height="0.4 MM", MFG_NAME01="VISHAY INTERTECHNOLOGY", MFG_PN01=CRCW040210K0JNED, PCB Footprint=0402_CC, RoHS=Yes, TOL=5%
R108: library part RES, "RES MF 30K 1/20W 1% 0201", Temp Range="-55¡ãC ~ 155¡ãC", Tolerance=1%, Voltage=25V, AGILE_PN=470-81353, CAD_APPROVED=Yes, CLASS=DISCRETE, FPLIST=RC0201,0201_CC, Height=0.26MM, MFG_NAME01="YAGEO AMERICA", MFG_PN01=RC0201FR-0730KL, PCB Footprint=0201_CC, RoHS=Yes, Temp_Range="-55¡ãC ~ 155¡ãC"
R215: library part RES, "RES MF 12K 1/20W 1% 0201", Tolerance=1%, Voltage=1/20W, AGILE_PN=470-77701, CAD_APPROVED=Yes, CLASS=DISCRETE, FPLIST=RC0201,0201_CC, Height=0.26MM, MFG_NAME01=SKYMOS, MFG_PN01=RC-0201-123FT, PCB Footprint=0201_CC, RoHS=Yes
TP6 TP7 TP8 TP9 TP10 TP23 TP25 TP26 TP27 TP51 TP68: library part "T POINT R", "TEST POINT PAD .035 SMT, no part to order", AGILE_PN=510-75618, ASSY_OPT=DNP, CAD_APPROVED=Yes, CLASS=IC, Height=0.1MM, PCB Footprint=testpoint_35mil, RoHS=Yes
TP12 TP13: library part TESTLOOP, "TEST POINT PAD 0.5MM DIA SMT, NO PART TO ORDER", AGILE_PN=211-77484, CAD_APPROVED=Yes, CLASS=IO, Height=0.1MM, PCB Footprint=tpad_020, RoHS=Yes
U1: library part MIMX8MN, "IC CPU QUAD CORTEX A53+M7 1.4GHZ -- BGA306", Temp Range="-40¡ãC to 105¡ãC", AGILE_PN=TMP-CIP-5098, CAD_APPROVED=Yes, CLASS=IC, Height=1.01MM, MFG_NAME01="NXP SEMICONDUCTORS", MFG_PN01=MIMX8MN5CVPIZAA, PCB Footprint=pbga306_0p5_sq11mm, PRE_APN=330-77152, RoHS=Yes
U2: library part CMP-09138-000080-1, "IC PWR SWITCH P-CHAN 1:1 4WLCSP", Max Input Voltage=3.6V, Max Operating Temperature=85°C, Max Output Current=500mA, Max Power Dissipation=7.2uW, Min Input Voltage=1.1V, Min Operating Temperature=-40°C, On-State Resistance=105mR, Operating Supply Current=2uA, Package Quantity=1, Interface=On/Off, Lead Free="Contains Lead", Max Supply Current=500mA, Mount="Surface Mount", Nominal Supply Current=500mA, Number of Outputs=1, Number of Pins=4, Operating Supply Voltage=3.6V, Output Configuration="High Side", Output Current=500mA, Packaging="Tape and Reel", Radiation Hardening=No, REACH SVHC="No SVHC", RoHS Compliant=Yes, Series=-, Supply Current=500mA
U4: library part CMP-2000-07537-3, "IMU ACCEL/GYRO I2C/SPI 14LGA", Case/Package=LGA, Max Operating Temperature=85°C, Min Operating Temperature=-40°C, Lead Free="Lead Free", Mount="Surface Mount", Output Type=SPI, Packaging="Cut Tape", Sensor Type=Accelerometer
U8: library part PCA9450_HVQFN56P_A, "IC POWER MANAGEMENT 2.7-5.5V HVQFN56", Temp Range="-40C to +105C", Voltage=2.7-5.5V, AGILE_PN=TMP-WF-36197, CAD_APPROVED=Yes, CLASS=IC, Height=1MM, MFG_NAME01="NXP SEMICONDUCTORS", MFG_PN01=PCA9450BHN, PCB Footprint=hvqfn56_0p4_7x7_ep4p7mm, PRE_APN=315-82314, RoHS=Yes, SPLIT_INST=TRUE, SWAP_INFO=(S1+S2+S3), Temp_Range="-40C to +105C"
U12: library part 1G125, "IC BUF TS 0.9-3.6V", AGILE_PN=312-30153, ASSY_OPT=DNP, CAD_APPROVED=Yes, CLASS=IC, Height=1.1MM, MFG_NAME01=FAIRCHILD, MFG_PN01=NC7SP125P5X, PCB Footprint=SC70-5_A, RoHS=Yes
Y1: library part XTAL_13, "XTAL 24MHZ 9pF -- SMT 3.2X2.5MM", AGILE_PN=230-77392, CAD_APPROVED=Yes, CLASS=IC, Height=0.60MM, MFG_NAME01="EPSON TOYOCOM CORPORATION", MFG_PN01="TSX-3225 24.0000MF15X-AC3", PCB Footprint=xtlosc4_3p2x2p5mm_sm, RoHS=Yes

## Free pads (board coordinates)
  round 0.35 hole 0.15: 2(14.867,6.474) 3(16.367,6.474) 4(16.867,6.474) 5(18.367,7.974) 6(18.367,7.474) 7(17.867,6.474) 8(18.367,6.474) 9(20.367,6.474) 10(19.367,7.474) 11(19.367,8.474) 12(18.867,8.474) 13(19.867,8.474) 14(19.863,10.49) 15(18.367,11.474) 16(18.867,10.474) 17(20.867,8.474) 18(21.367,8.474) 19(20.867,7.974) 20(21.367,7.974) 21(20.867,6.974) 22(15.367,15.474) 23(16.367,15.474) 24(16.867,15.474) 25(17.867,15.474) 26(18.367,15.474) 27(18.867,15.474) 28(19.367,15.474) 29(17.367,15.474) 30(19.867,15.474) 31(20.367,15.474) 32(20.867,15.474) 33(20.867,14.974) 34(18.367,14.474) 35(18.367,13.974) 36(18.867,12.474) 37(19.367,12.474) 38(19.867,12.474) 39(20.867,12.474) 40(21.367,12.474) 41(20.867,12.974) 42(18.367,10.474) 43(20.867,11.474) 44(17.367,8.974) 45(15.367,8.974) 46(15.469,8.458) 47(15.367,7.974) 48(15.367,7.474) 49(14.367,15.474) 50(11.367,12.974) 51(11.867,11.974) 52(14.367,8.474) 53(14.367,6.474) 54(21.367,10.974) 55(21.367,10.474) 56(20.867,10.474) 57(20.867,10.974) 59(20.867,9.974) 60(31.184,9.195) 61(31.584,8.395) 63(31.184,7.195) 64(31.184,10.395) 66(24.784,13.995) 69(12.367,11.474) 70(12.367,12.474) 71(27.584,14.395) 72(25.184,7.595) 77(12.342,10.474) 79(27.61,7.093)

## Via types
v1: diameter 0.45, hole 0.18, Top Layer to Bottom Layer, tented both sides, 190 vias
v2: diameter 0.4, hole 0.18, Top Layer to Bottom Layer, tented both sides, 79 vias
v3: diameter 0.45, hole 0.254, Top Layer to Bottom Layer, tented both sides, 62 vias
v4: diameter 0.35, hole 0.18, Top Layer to Bottom Layer, tented both sides, 8 vias
v5: diameter 0.35, hole 0.15, Top Layer to Bottom Layer, tented both sides, 2 vias

## Nets (pads, with @x,y where several pads share a name; then routed paths per layer and width w, separated by ;. In a path a pad name is that pad's centre, name@x,y a point inside that pad or via, vN(x,y) a via of type N, cw(c..) or ccw(c..) an arc to the next point about the centre after c; other vN are vias at no path point)
BOOT_MODE0: R47.1 U1.G16 | length 15.4
  Top Layer w0.15: U1.G16@18.367,8.474 18.37,8.474 18.915,7.929 v1(18.943,7.929)
  Int6 (Sign) w0.15: v1(18.943,7.929) 18.943,7.401 19.368,6.976 20.363,6.976 20.716,6.623 21.097,6.623 21.601,7.126 25.192,7.126 v2(27.661,4.657)
  Bottom Layer w0.15: R47.1@24.257,5.492 24.736,5.492 24.969,5.259 24.969,5.236 25.235,4.971 27.347,4.971 v2(27.661,4.657)
BOOT_MODE1: pad.6 R79.1 U1.G18 | length 15.8
  Int3 (Sign) w0.15: pad.6@18.367,7.474 18.791,7.474 19.143,7.123 20.255,7.123 20.458,7.326 21.571,7.326 21.706,7.19 23.893,7.19 24.128,6.955 24.128,6.529 24.536,6.121 24.836,6.121 25.445,6.73 25.575,6.73 26.458,7.613 26.634,7.613 26.852,7.831 26.852,7.87 26.869,7.886 26.869,8.436 27.76,9.327 v2(27.76,9.331)
  Bottom Layer w0.15: R79.1@25.4,8.935 25.4,9.601 26.027,10.228 26.411,10.228 26.523,10.116 27.196,10.116 27.502,9.81 27.502,9.657 27.76,9.399 v2(27.76,9.331)
BOOT_MODE2: pad.12 R78.1 U1.F16 | length 23.4
  Int5 (PWR) w0.15: pad.12@18.867,8.474 19.375,8.982 22.541,8.982 24.127,10.567 24.127,12.358 25.712,13.943 26.045,13.943 29.185,10.804 v2(29.185,10.77)
  Bottom Layer w0.15: R78.1@25.4,5.518 25.452,5.57 25.727,5.57 25.917,5.76 25.917,6.2 27.337,7.62 29.113,7.62 29.739,8.246 29.739,10.215 v2(29.185,10.77)
BOOT_MODE3: pad.5 R77.1 U1.G17 | length 13.6
  Int6 (Sign) w0.15: pad.5@18.367,7.974 18.015,7.623 18.015,7.329 19.439,5.905 21.526,5.905 22.008,5.423 26.362,5.423 27.505,4.281 28.257,4.281 v2(28.753,3.785)
  Bottom Layer w0.15: v2(28.753,3.785) 28.801,3.737 29.213,3.737 R77.1@29.318,3.632
BT_CTS: pad.43 R30.2 U1.B10 | length 16.6
  Int6 (Sign) w0.15: pad.43@20.867,11.474 pad.43@20.867,11.474 20.583,11.192 19.923,11.192 19.641,11.474 18.864,11.474 18.426,11.913 18.337,11.913 16.224,14.026 16.224,14.765 16.015,14.973 16.015,16.801 20.932,21.718 v2(20.932,22.53)
BT_CTS_RES: R30.1 U9.26 | length 5
  Top Layer w0.15: U9.26@21.634,22.493 22.588,22.493 v1(23.016,22.065)
  Bottom Layer w0.15: R30.1@19.97,22.581 20.023,22.528 20.023,22.253 20.212,22.065 v1(23.016,22.065)
BT_RXD: R28.2 TX1.1 U1.E10 | length 47.4
  Top Layer w0.15: TX1.1@1.676,18.796 1.74,18.796 2.379,19.435 v1(2.442,19.435) ; U1.E10@19.367,11.474 19.376,11.465 19.376,11.104 19.551,10.929 v1(19.62,10.929)
  Int2 (GND) w0.15: v1(2.442,19.435) 3.498,18.379 3.498,18.194 4.496,17.196 v2(13.041,17.196)
  Int3 (Sign) w0.15: v2(13.041,17.196) 14.124,16.113 14.226,16.113 15.279,15.059 15.279,15.008 15.422,14.865 15.422,14.433 16.322,13.533 16.755,13.533 17.516,12.772 17.516,12.736 18.175,12.077 18.617,12.077 19.09,11.604 19.09,11.46 v1(19.62,10.929)
  Bottom Layer w0.15: v1(2.442,19.435) 2.5,19.492 2.5,19.686 2.565,19.751 2.683,19.751 2.935,20.004 2.935,21.654 6.517,25.236 15.526,25.236 16.581,26.291 17.558,26.291 17.874,25.975 17.874,25.694 18.971,24.597 18.971,23.771 19.627,23.115 20.565,23.115 20.668,23.219 20.668,23.494 R28.2@20.72,23.546
BT_RXD_RES: R28.1 U9.25 | length 2.8
  Top Layer w0.15: v1(21.488,23.571) 21.488,22.936 21.513,22.911 U9.25@21.634,22.911
  Bottom Layer w0.15: R28.1@19.97,23.546 20.023,23.598 20.023,23.873 20.126,23.976 21.083,23.976 v1(21.488,23.571)
BT_TXD: R31.2 RX1.1 U1.A9 | length 45.7
  Top Layer w0.15: RX1.1@1.676,17.424 2.23,17.424 2.433,17.628 v1(2.515,17.628) ; U1.A9@21.367,11.974 21.394,12.001 21.7,12.001 21.855,12.156 v5(21.874,12.156)
  Int4 (Sign) w0.15: v5(21.874,12.156) 22.371,12.156 22.606,11.921 23.525,11.921 25.573,13.97 25.552,13.97 26.518,14.935 26.518,14.937 27.586,16.006 v2(28.115,16.006)
  Bottom Layer w0.15: v1(2.515,17.628) 2.515,17.674 2.81,17.969 2.81,18.075 2.954,18.219 5.138,18.219 7.164,20.246 7.164,22.235 9.19,24.262 12.189,24.262 12.912,24.984 15.63,24.984 16.685,26.04 17.454,26.04 17.623,25.871 17.623,25.59 18.72,24.493 18.72,23.291 19.268,22.742 19.268,22.292 19.97,21.59 R31.2@19.97,21.565 20.023,21.512 20.023,21.237 21.893,19.367 25.279,19.367 26.049,18.597 26.049,18.072 v2(28.115,16.006)
BT_TXD_RES: R31.1 U9.27 | length 4.4
  Top Layer w0.15: U9.27@21.634,22.075 22.172,22.075 22.703,21.544 23.209,21.544 v1(23.216,21.55)
  Bottom Layer w0.15: R31.1@20.668,21.617 R31.1@20.72,21.565 23.23,21.565 v1(23.216,21.55)
BT_WAKE_DEV: U1.T20